# KiCad board electrosteel2020_10_arrange7_synthboardsonlyrev6.kicad_pcb (continued)
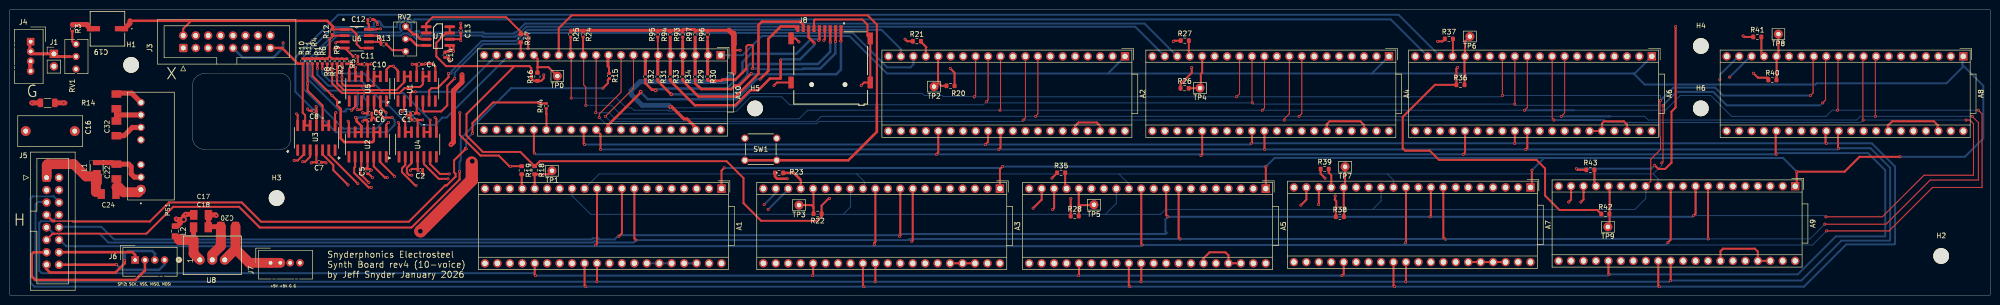
[diagram p0: board, top side]
## Routing (per net, layer and track width the routed paths; a pad name or vN(x,y) marks a point on that pad's centre or on a via; arc(x,y) is an arc through that point) (continued)
/electrosteel2020_10_arrange7_synthboardsonlyrev6_1/SPI6_MISO: length 4.4
  Top w0.4: R44.1 109.43,37.03 109.49,36.97 109.49,33.79 A10.26
/electrosteel2020_10_arrange7_synthboardsonlyrev6_1/SPI6_MISO_POSTRES: length 120.9
  Top w0.2: 12.83,15.02 12.86,15.05
  Top w0.254: 12.83,15.02 12.73,15.12 9.09,15.12
  Top w0.4: 12.86,15.05 28.59,15.05 32.47,18.93 47.31,18.93 51.25,15 81.41,15 88.82,22.41 89.14,22.41 90.93,24.2 90.93,24.79 90.63,25.09 90.63,27.51 92.85,29.73 92.85,30.03 92.94,30.03 v3(93.1,29.87) ; R44.2 107.82,39.14 107.62,39.34 98.59,39.34 94.39,35.14 v3(94.39,33.04)
  Top w0.508: J5.7 8.76,15.12 9.09,15.12
  Bottom w0.4: v3(93.1,29.87) 93.1,31.75 v3(94.39,33.04)
/electrosteel2020_10_arrange7_synthboardsonlyrev6_1/SPI6_MOSI: length 723.8
  Top w0.4: v3(296.5,28.75) 296.87,29.12 A6.25 ; v3(326.25,4.25) 326.12,4.38 A9.25 ; v3(163.75,4) 163.88,4.13 A3.25 ; v3(271.75,4) 272.12,4.37 A7.25 ; v3(218,4) 218.12,4.12 A5.25 ; v3(189,28.75) 189.41,29.16 A2.25 ; A1.25 107.09,4.16 v3(107.25,4) ; A10.25 106.91,29.09 v3(107,29) ; v3(360.34,28.75) 360.25,28.84 360.25,33.51 ; A4.25 243.25,28.75 v3(243,28.5)
  Bottom w0.3: 8.69,15.11 6.36,15.11
  Bottom w0.4: v3(107,29) 107.25,28.75 v3(189,28.75) 242.75,28.75 v3(243,28.5) 243.25,28.75 v3(296.5,28.75) v3(360.34,28.75) 360.59,29 379.09,29 382.59,25.5 382.59,12 372.5,12 364.75,4.25 v3(326.25,4.25) 326,4 v3(271.75,4) v3(218,4) v3(163.75,4) v3(107.25,4) 106.75,4.5 6.5,4.5 6,5 6,14.75 6.36,15.11 ; 10.08,16.5 8.69,15.11
/electrosteel2020_10_arrange7_synthboardsonlyrev6_1/SPI6_NSS: length 718.4
  Top w0.4: v3(373.09,30) 372.95,30.14 372.95,33.51 ; A3.30 176.58,2.83 v3(176.5,2.75) ; A4.30 255.95,29.8 v3(256,29.75) ; A2.30 202.11,30.11 v3(201.75,29.75) ; v3(338.75,3) 338.82,3.07 A9.30 ; v3(120.5,29.75) 120.5,32.86 A10.30 ; A6.30 309.57,30.07 v3(309.25,29.75) ; A5.30 230.82,2.82 v3(230.75,2.75) ; v3(284.75,2.75) 284.82,2.82 A7.30 ; A1.30 119.79,2.79 v3(119.75,2.75)
  Bottom w0.4: 7.54,19.04 5.79,19.04 5.25,18.5 5.25,3.5 5.75,3 5.75,2.75 v3(119.75,2.75) v3(176.5,2.75) v3(230.75,2.75) v3(284.75,2.75) 338.5,2.75 v3(338.75,3) 365.5,3 373.63,11.13 383.46,11.13 383.59,11.26 383.59,26 379.59,30 v3(373.09,30) 372.84,29.75 v3(309.25,29.75) v3(256,29.75) v3(201.75,29.75) v3(120.5,29.75)
/electrosteel2020_10_arrange7_synthboardsonlyrev6_1/SS_2: length 814.4
  Top w0.2: 380.57,48.75 380.57,36.52 v3(380.59,36.5) ; A6.8 317.19,37.19 v3(316.5,36.5) ; v3(209.25,36.5) 209.73,36.98 A2.8 ; v3(263,36.5) 263.57,37.07 A4.8 ; v3(370.25,14.5) 382.75,14.5 391.75,23.5 401.59,23.5 401.59,35.25 v3(400.34,36.5) ; v3(121.5,36.5) 127.23,42.23 A10.8
  Top w0.4: v3(346.5,11.5) 346.44,11.56 A9.8 ; A5.8 238.44,11.77 v3(238.73,11.48) ; v3(127.75,11.25) 127.41,11.59 A1.8 ; v3(292.77,11.48) 292.44,11.81 A7.8 ; v3(184,11) 184.2,11.2 A3.8
  In2.Cu w0.4: 346.48,11.48 v3(346.5,11.5)
  Bottom w0.2: 370.12,14.38 v3(370.25,14.5) 367.25,11.5 v3(346.5,11.5) ; v3(209.25,36.5) 165.5,36.5 164.43,35.43 122.57,35.43 v3(121.5,36.5) ; v3(209.25,36.5) v3(263,36.5) v3(316.5,36.5) ; v3(209.25,36.5) 209,36.5 ; v3(400.34,36.5) v3(380.59,36.5) 377.5,36.5 376.75,35.75 334.25,35.75 333.5,36.5 326.25,36.5
  Bottom w0.3: 8.94,12.56 8.98,12.6 18.27,12.6 18.31,12.56
  Bottom w0.4: 238.75,11.5 v3(238.73,11.48) ; v3(238.73,11.48) 183.52,11.48 ; v3(238.73,11.48) v3(292.77,11.48) ; v3(316.5,36.5) 326.59,36.5 ; 7.54,13.96 8.94,12.56 ; 183.52,11.48 v3(184,11) ; 183.52,11.48 183.29,11.25 v3(127.75,11.25) 127.25,10.75 120.03,10.75 119.8,10.98 119.2,10.98 118.97,10.75 20.12,10.75 18.31,12.56 ; 293,11.25 v3(292.77,11.48) ; v3(292.77,11.48) 346.48,11.48
Net-(A1-3V3_D): length 2.5
  Bottom w0.4: A1.37 A1.38
Net-(A1-AUDIO_IN_1): length 6.8
  Top w0.4: TP1.1 109.89,24.67 R18.2 107.07,21.77 A1.16
Net-(A1-AUDIO_IN_2): length 3
  Top w0.4: R19.2 104.43,21.87 A1.17
Net-(A2-3V3_D): length 7.8
  Top w0.4: A2.36 217.35,34.6 218,35.25 221.75,35.25 222.43,34.57 A2.38
Net-(A2-AUDIO_IN_1): length 8.5
  Top w0.4: R20.2 190.03,42.73 189.37,43.39 ; 189.37,43.39 189.37,48.71 A2.16 ; 189.37,43.39 TP2.1
Net-(A2-AUDIO_IN_2): length 3.6
  Top w0.4: R21.2 185.87,51.72 186.98,50.61 186.87,50.5 A2.17
Net-(A3-3V3_D): length 5.1
  Top w0.4: A3.36 A3.37 A3.38
Net-(A3-AUDIO_IN_1): length 8.3
  Top w0.4: 163.95,18.01 163.95,17.78 163.97,17.78 R22.2 ; 163.95,18.01 163.95,21.67 A3.16 ; 163.95,18.01 163.58,18.38 TP3.1
Net-(A3-AUDIO_IN_2): length 6
  Top w0.4: A3.17 161.34,23.55
  Top w0.508: 161.34,23.55 159.93,24.96 R23.2
Net-(A4-3V3_D): length 10.8
  Top w0.4: A4.38 276.27,34.73 275.5,35.5 269.25,35.5 268.65,34.9 A4.35
Net-(A4-AUDIO_IN_1): length 9
  Top w0.4: A4.16 243.25,45.44 242.97,45.16 242.97,42.44 TP4.1 242.77,42.24 240.49,42.24
Net-(A4-AUDIO_IN_2): length 3.3
  Top w0.4: R27.2 240.51,48.94 A4.17
Net-(A5-3V3_D): length 11
  Top w0.4: A5.38 A5.37 248.6,8.15 248,8.75 244.75,8.75 243.52,7.52 A5.35
Net-(A5-AUDIO_IN_1): length 8.8
  Top w0.4: 218.07,18.37 221.07,18.37 TP5.1 ; 218.07,18.37 218.07,21.7 A5.16 ; 218.07,18.37 218.06,18.36 R28.2
Net-(A5-AUDIO_IN_2): length 3.4
  Top w0.4: A5.17 215.3,22.03 R35.2
Net-(A6-3V3_D): length 11
  Top w0.4: A6.35 A6.36 324.81,35.06 325.25,35.5 329.25,35.5 329.89,34.86 A6.38
Net-(A6-AUDIO_IN_1): length 10.5
  Top w0.4: R36.2 296.75,48.63 A6.16 296.87,51.81 TP6.1
  In2.Cu w0.4: 297,48.62 A6.16
Net-(A6-AUDIO_IN_2): length 3.6
  Top w0.4: A6.17 294.4,48.82 R37.2
Net-(A7-3V3_D): length 7.6
  Top w0.4: A7.35 A7.36 A7.37 A7.38
Net-(A7-AUDIO_IN_1): length 10.4
  Top w0.4: R38.2 272.15,17.64 272.25,17.73 272.12,17.86 A7.16 272.4,22.28 TP7.1
Net-(A7-AUDIO_IN_2): length 4
  Top w0.4: R39.2 269.06,25.01 269.58,24.49 A7.17
Net-(A8-3V3_D): length 13.2
  Top w0.4: 383.11,33.51 383.11,34.61 384,35.5 392.5,35.5 393.27,34.73 393.27,33.51
Net-(A8-AUDIO_IN_1): length 9.8
  Top w0.4: 360.43,44.66 360.43,48.73 A8.16 360.8,49.14 TP8.1 ; 360.43,44.66 360.39,44.62 R40.2 ; 360.43,44.66 360.43,44.39
Net-(A8-AUDIO_IN_2): length 4.2
  Top w0.4: A8.17 357.32,49.3 R41.2
Net-(A9-3V3_D): length 14.5
  Top w0.4: A9.38 A9.37 356.6,8.9 356,9.5 349.5,9.5 348.98,8.98 A9.34
Net-(A9-AUDIO_IN_1): length 8.5
  Top w0.4: TP9.1 326.37,14.31 326.37,22 A9.16
Net-(A9-AUDIO_IN_2): length 3.5
  Top w0.4: A9.17 323.26,22.56 R43.2
Net-(A10-AUDIO_IN_1): length 8.4
  Top w0.4: TP0.1 109.89,46.55 107.67,46.55 ; 107.67,46.55 107.65,46.53 107.65,45.7 ; 107.67,46.55 107.67,48.23 A10.16
Net-(A10-AUDIO_IN_2): length 2.7
  Top w0.4: A10.17 104.22,49.14 R17.2
Net-(A10-USART1_TX): length 123.7
  Top w0.4: A10.14 111.99,54.49 114.63,57.13 174.99,57.13 176.88,55.24 176.88,38.86
  Top w0.508: 176.88,39.03 176.88,38.29 176.88,38.29 176.88,33.35 171.07,27.54 SW1.1 SW1.2
Net-(C18-Pad1): length 11.1
  Top w0.4: 34.44,11.41 34.67,11.64 34.67,12.18
  Top w1: C18.1 37.49,11.27
  Top w2: U8.1 37.49,8.5 37.49,11.27 34.58,11.27 34.44,11.41
Net-(C19-Pad2): length 4.8
  Top w1: 12.75,55.25 15.75,55.25 15.75,55.08 16.44,54.39 C19.2
Net-(C20-Pad1): length 18
  Top w2: J7.2 J7.1 48.86,6.61 46.05,9.42 ; 46.05,9.42 46.05,11.94 46.05,11.94 C20.1 ; 46.05,9.42 U8.3
Net-(J1-Pin_1): length 11.8
  Top w0.4: 12.25,48.71 RV1.2
  Top w0.61: 4.08,51.5 4.08,49.5 4.32,49.27 9.16,49.27 9.71,48.71 12.25,48.71
Net-(PS1-VIN): length 11.7
  Top w0.508: L1.P$2 19.35,27.05
  Top w1: PS1.2 25.41,24.09 24.75,24.75 24.75,26.25 24.25,26.75 22.5,26.75 22.47,26.78 21.03,26.78 21.03,26.77 20.75,27.05 18.75,27.05
Net-(R3-Pad2): length 2.8
  Top w0.4: RV1.1 13.25,51.25 12.75,51.75 12.75,53.55
Net-(R13-Pad2): length 4.6
  Top w0.2: 80.04,50 80.5,50 RV2.1
  Top w0.4: R13.2 78.02,50 80.04,50
Net-(U6-INA-): length 16.8
  Top w0.4: 65.25,48.75 R7.2 65.77,48.27 R9.2 R2.2 67.77,48.25 R5.2 ; 65.25,48.75 R8.2 ; 65.25,48.75 65.25,52.25 65.75,52.75 ; 65.75,52.75 R12.1 ; 65.75,52.75 65.98,52.98 U6.2
  Top w0.508: R10.2 60.73,48.27 R11.2 61.73,48.29 R4.2 62.73,48.27 R1.2 63.73,48.29 R6.2 63.77,48.25 R8.2
Net-(U6-INB-): length 6.5
  Top w0.4: U6.6 75.29,51.71 R13.1 75.75,52.25 75.02,52.98 U6.7
Net-(U7-VIN): length 4.7
  Top w0.4: 83.02,50.98 U7.4
  Top w0.508: 83.02,50.98 81.71,52.29 RV2.2

## Copper pours and planes (outline as drawn; the poured copper is in the pictures)
+12V on In2.Cu: 175.63,35.88 324.38,35.88 401.5,36 401.5,0.81 324.74,1.07 63.5,1.07 0,0.96 -0.25,40.25 6.75,40.25 6.75,29 32.25,27 35.5,24.21 57.75,24.21 60.25,22.21 66,22.21 76.25,14.46 84.25,14.46 87.5,11.46 99.03,11.33 367,11.72 367,28.25 317.52,27.72 101.02,27.72 101.02,25.22 100.02,24.22 93,24.46 93,34.96 95.5,35.96 154,35.96
DGND4 on In1.Cu: 403.75,57.5 403.75,0 321.79,-0.52 -0.25,-0.52 -0.25,40.25 6.75,40.25 6.75,29.25 32.25,27 35.5,24.25 69.25,24 70.25,23.75 71.75,23.75 73.25,22.75 87,22.5 87.5,23 88.5,25 88.5,34.5 93.85,39.75 95,40.5 95,57.75 320.5,57.75
GNDINT on In1.Cu: 93.25,54.75 93.03,51.98 93.23,51.79 93.25,40.75 91.75,39 87.75,34.75 87.75,25.25 86.75,23.25 74.25,23.25 72.25,24.75 36,25.25 32.5,28 7.75,30 7.75,41.25 -0.25,41.25 0.25,58.25 24.75,57.75 56.49,58.22 57.61,58.14 93.19,58.2

## Text on the board
F.Silkscreen: +5V +5V G G | SPI2: SCK, NSS, MISO, MOSI | 1 | Snyderphonics Electrosteel / Synth Board rev4 (10-voice) / by Jeff Snyder January 2026 | H | G | X
